# Altium PCB tester.PcbDoc (part 1 of 2)
Units mm, origin at the board's own origin, x right, y up, seen from the top; angles counter-clockwise.
Board outline 84.15 x 90.65 mm, 4 copper layers (Top Layer, Layer 2, Layer 3, Bottom Layer), stack 1.369 mm thick; 124 components, 130 nets, 531 pads, 136 vias.
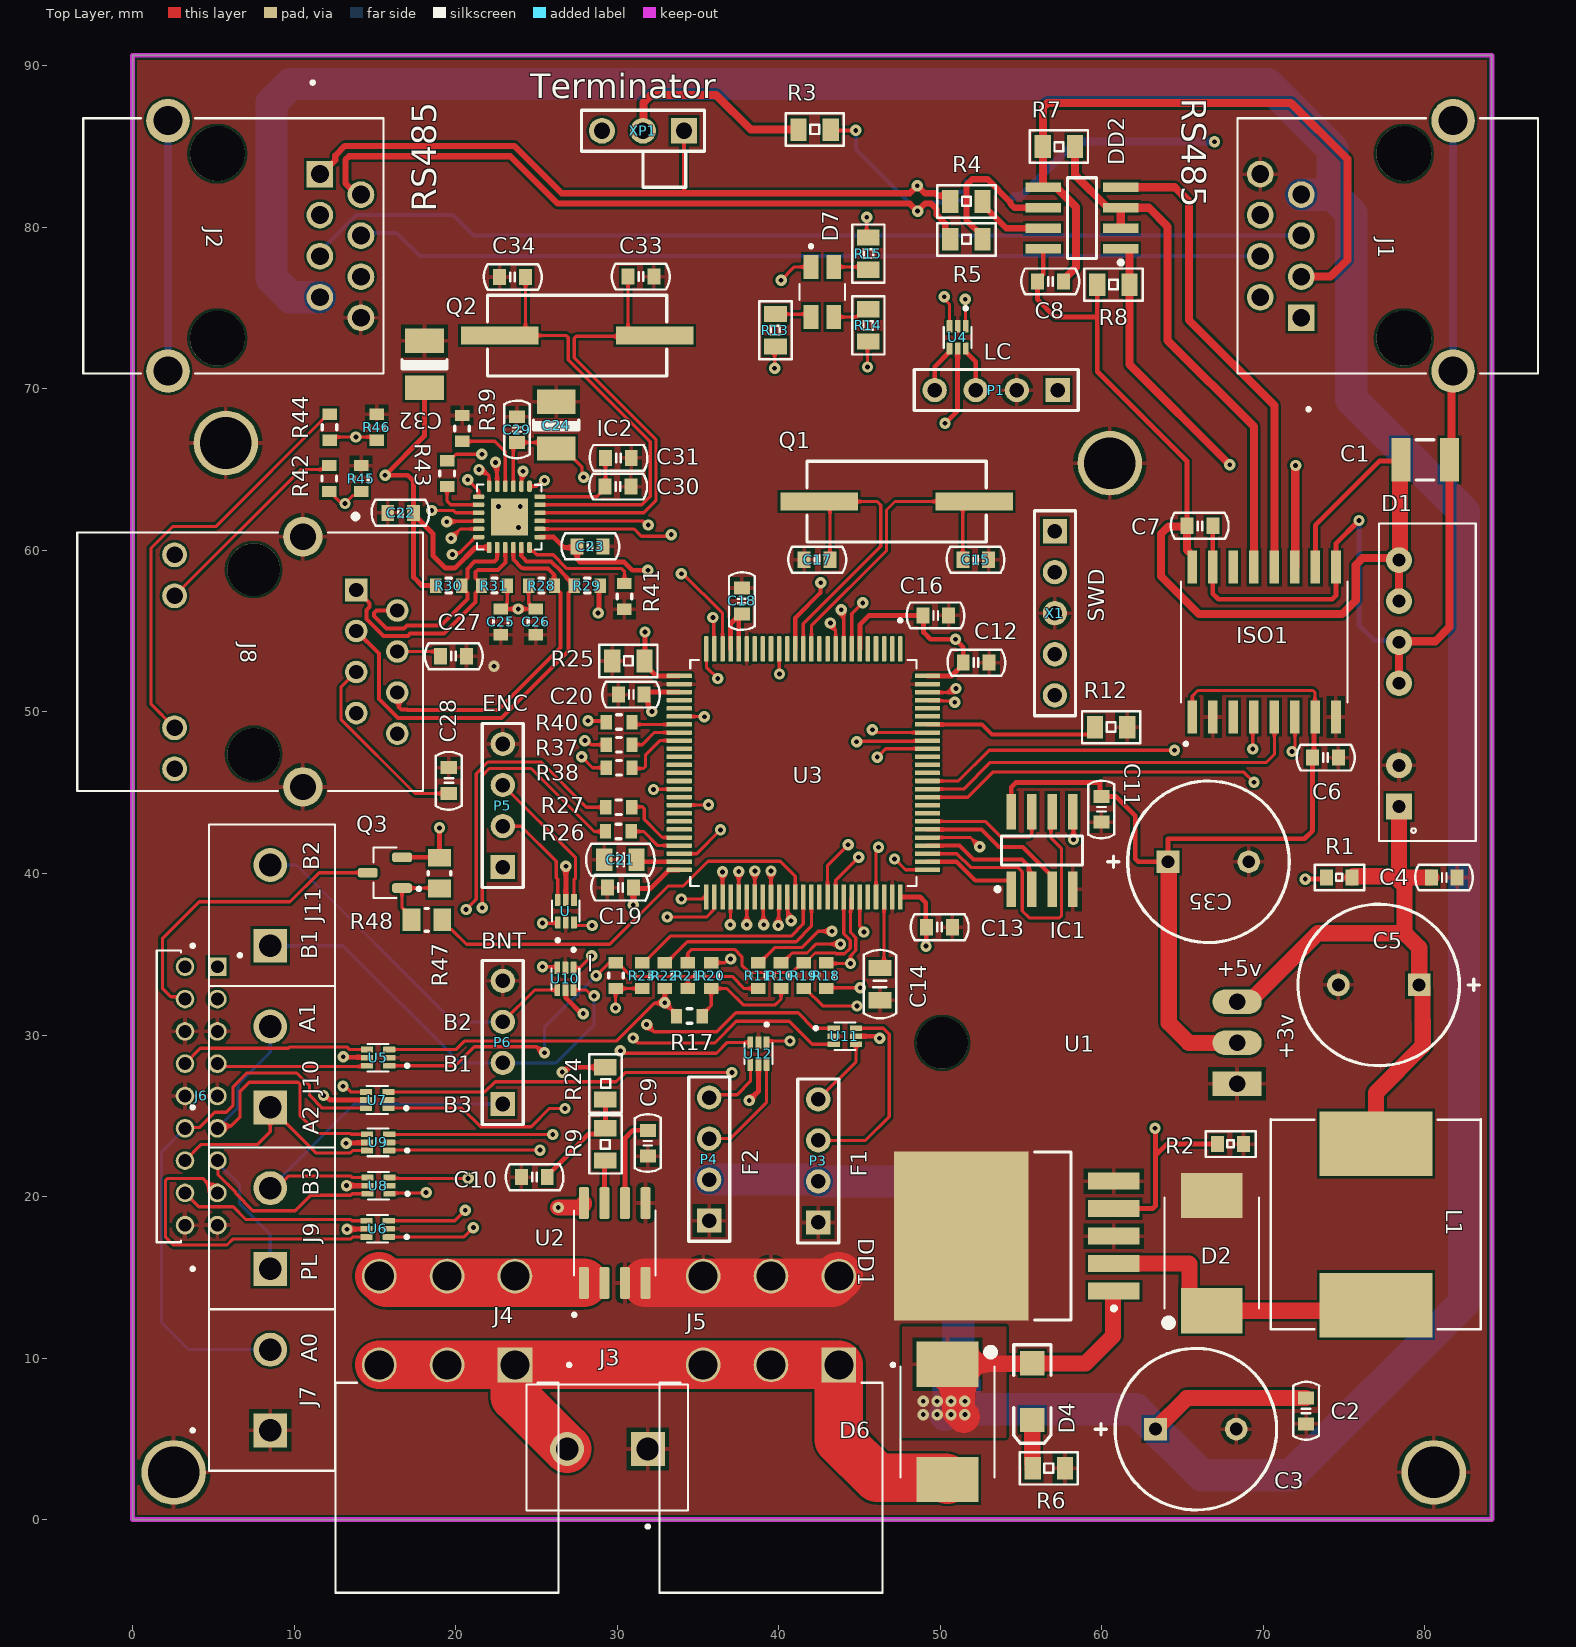
[diagram p0: Top Layer view]
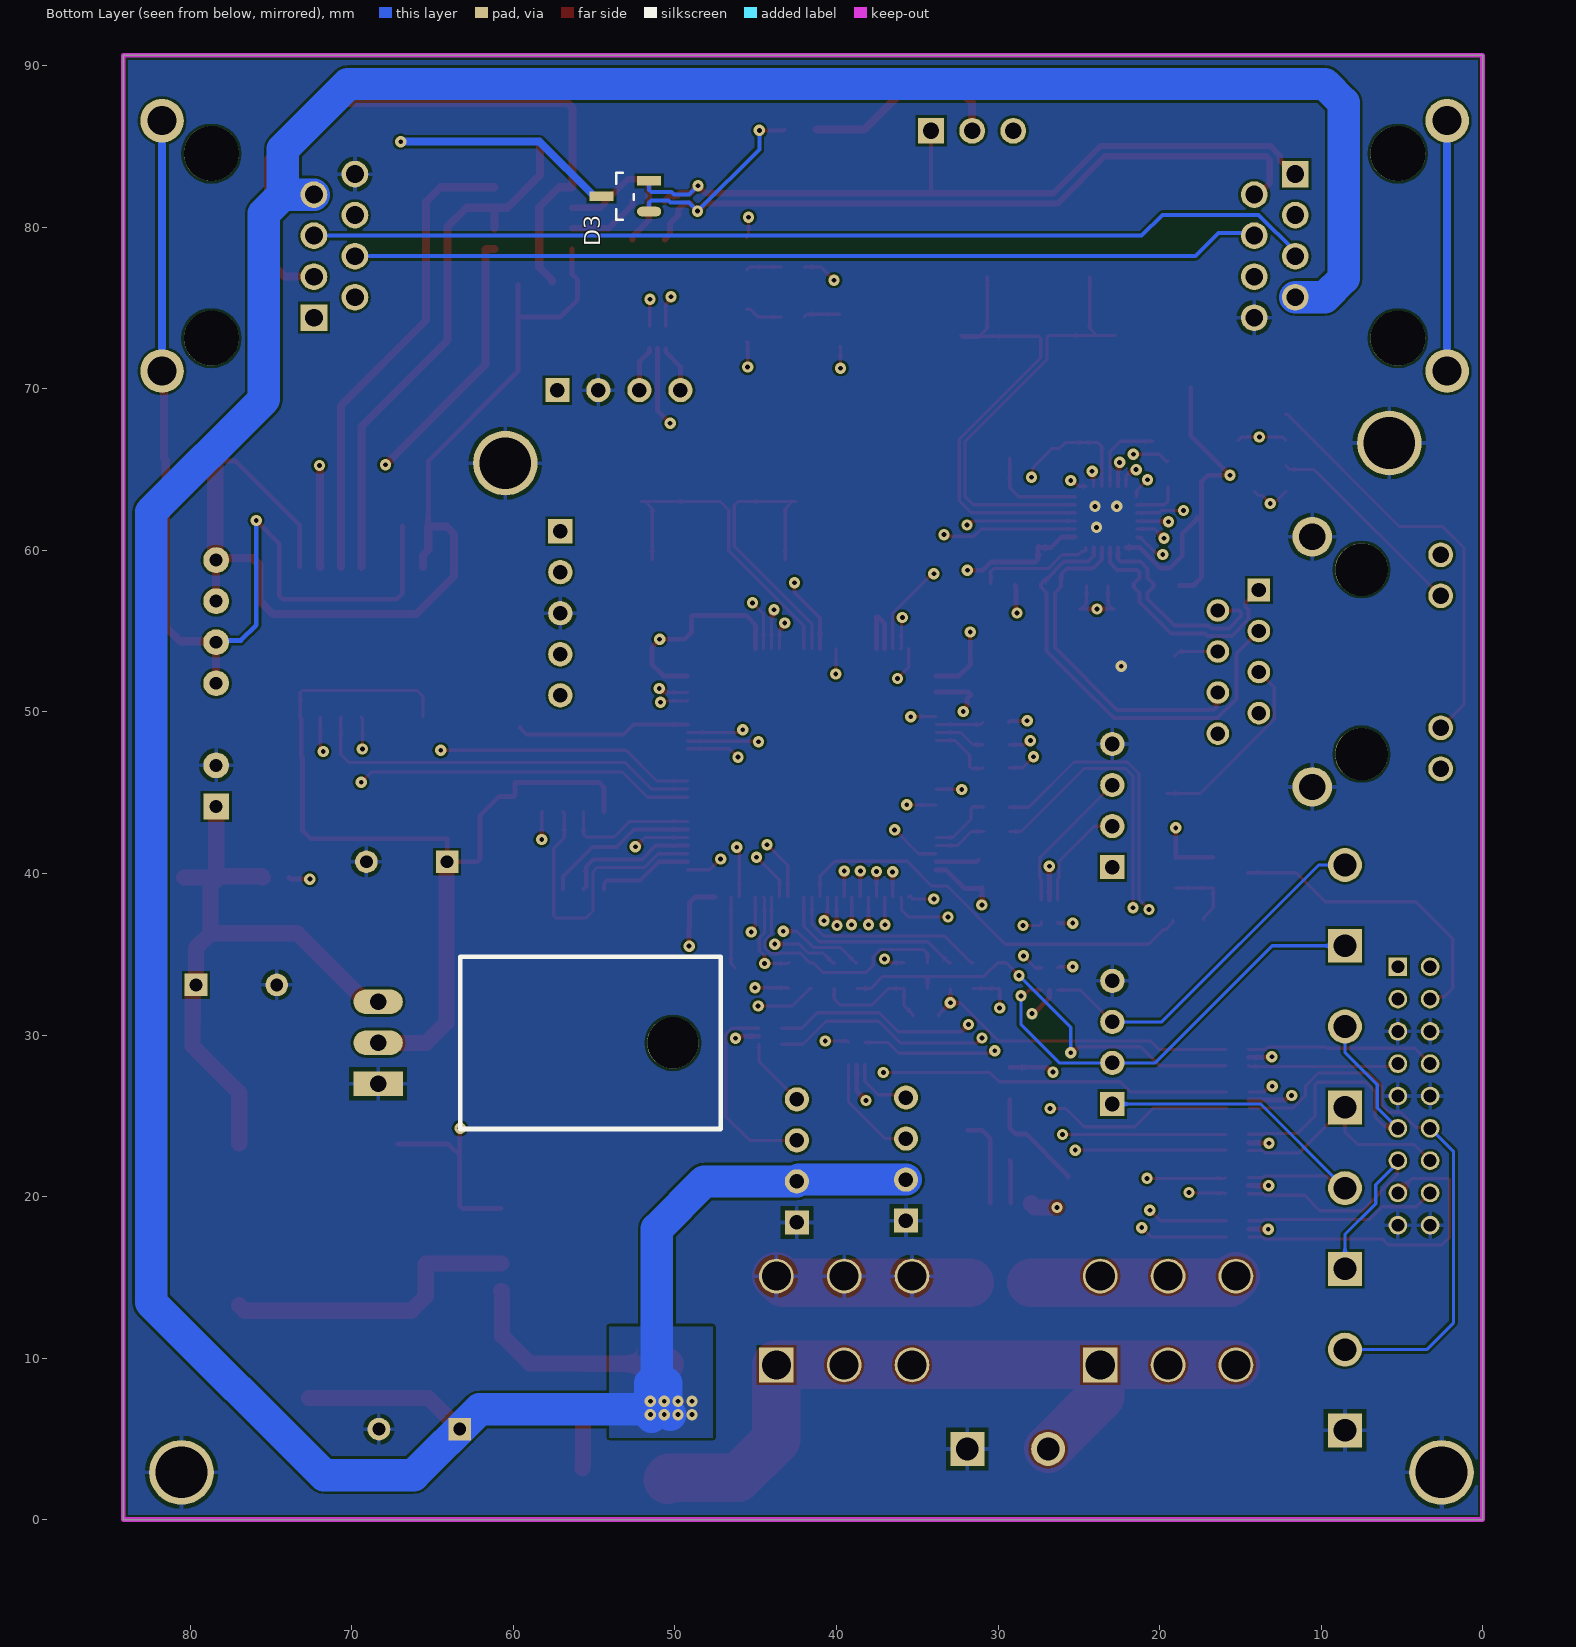
[diagram p1: Bottom Layer view, seen from below]
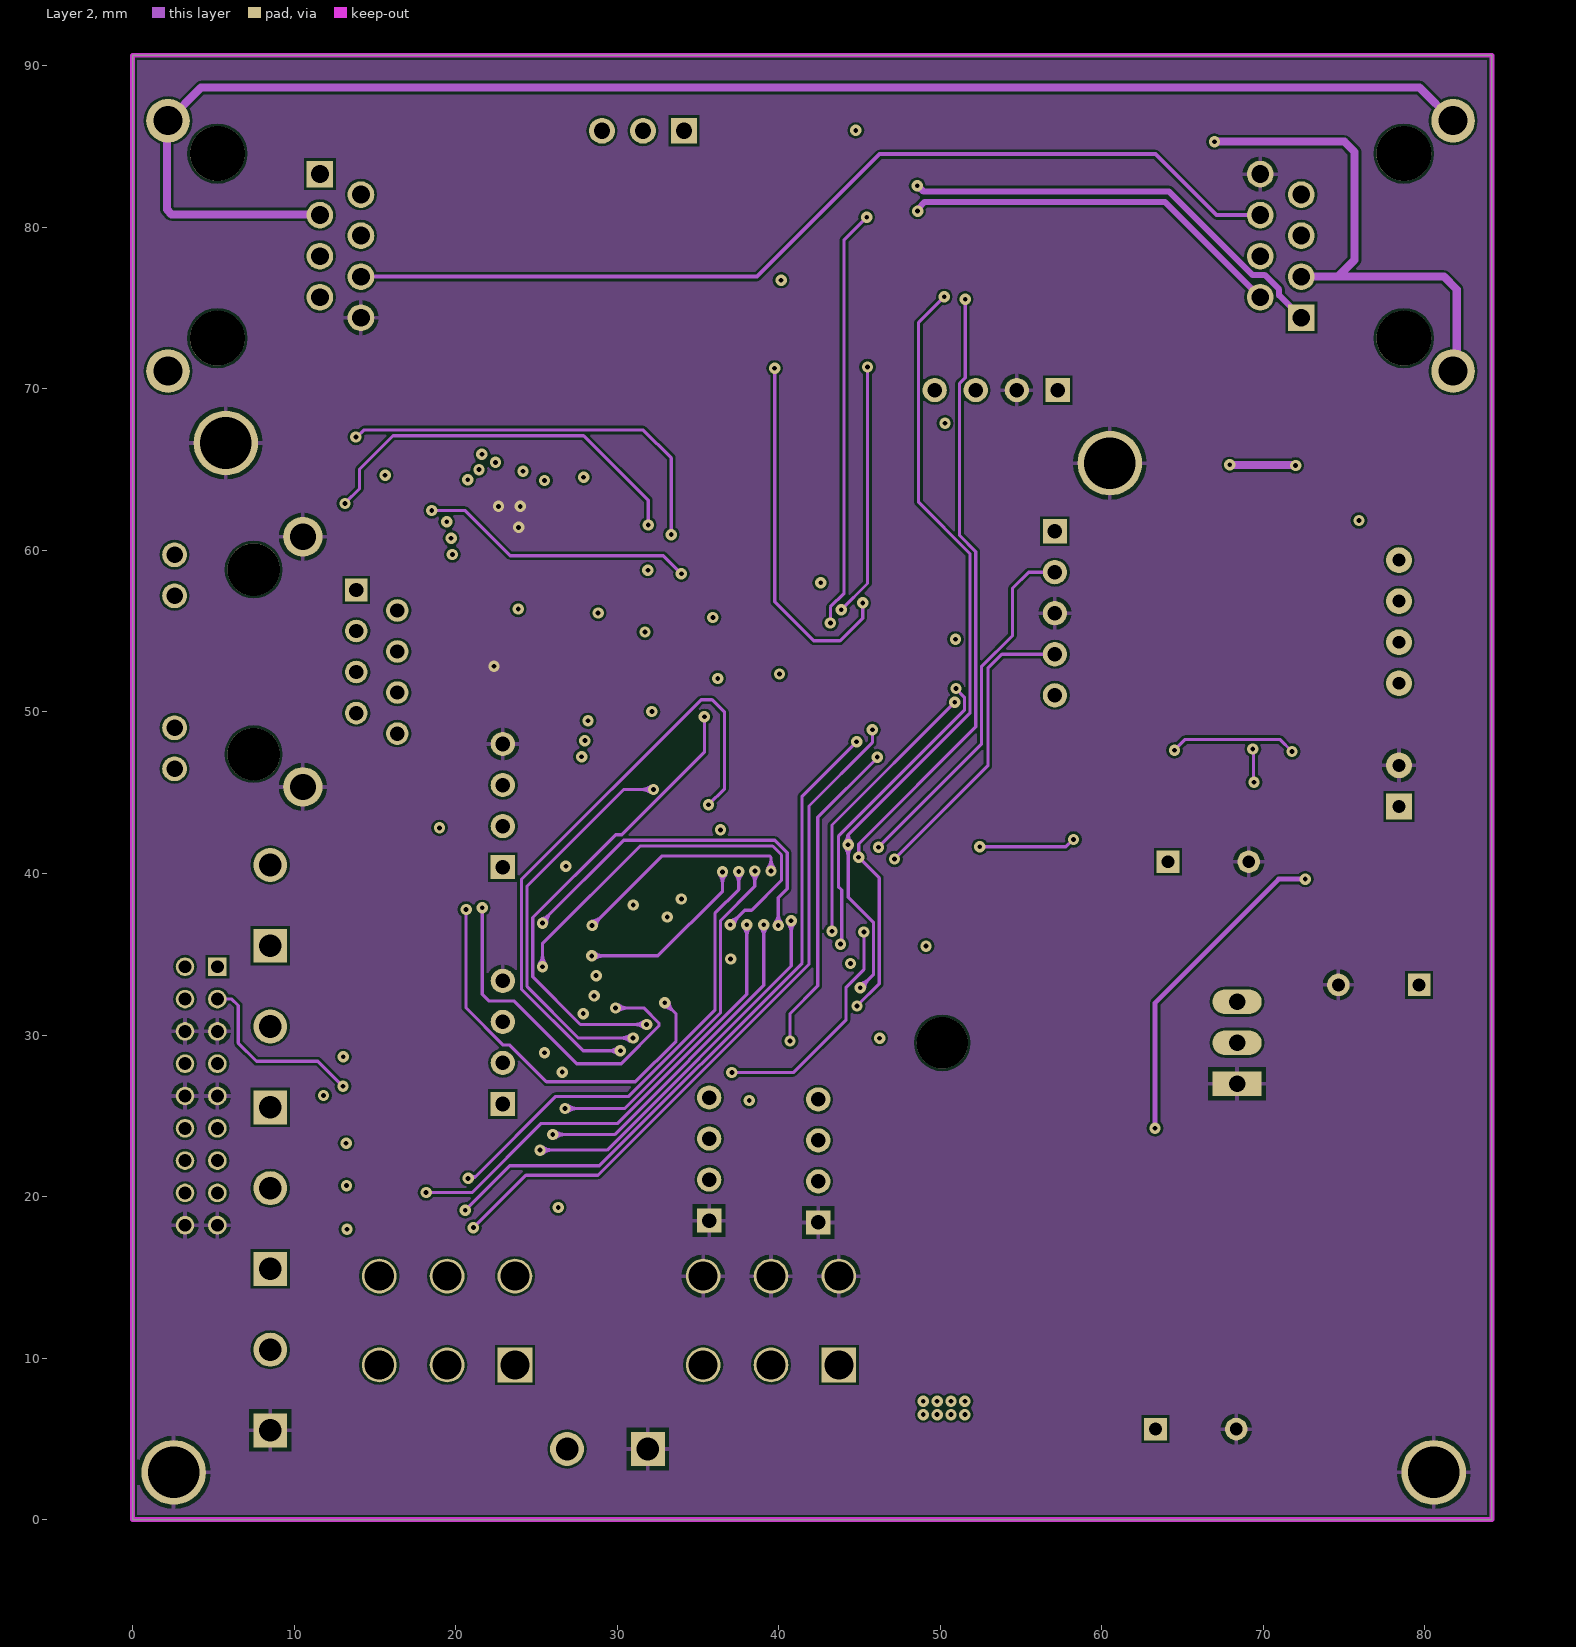
[diagram p2: Layer 2]
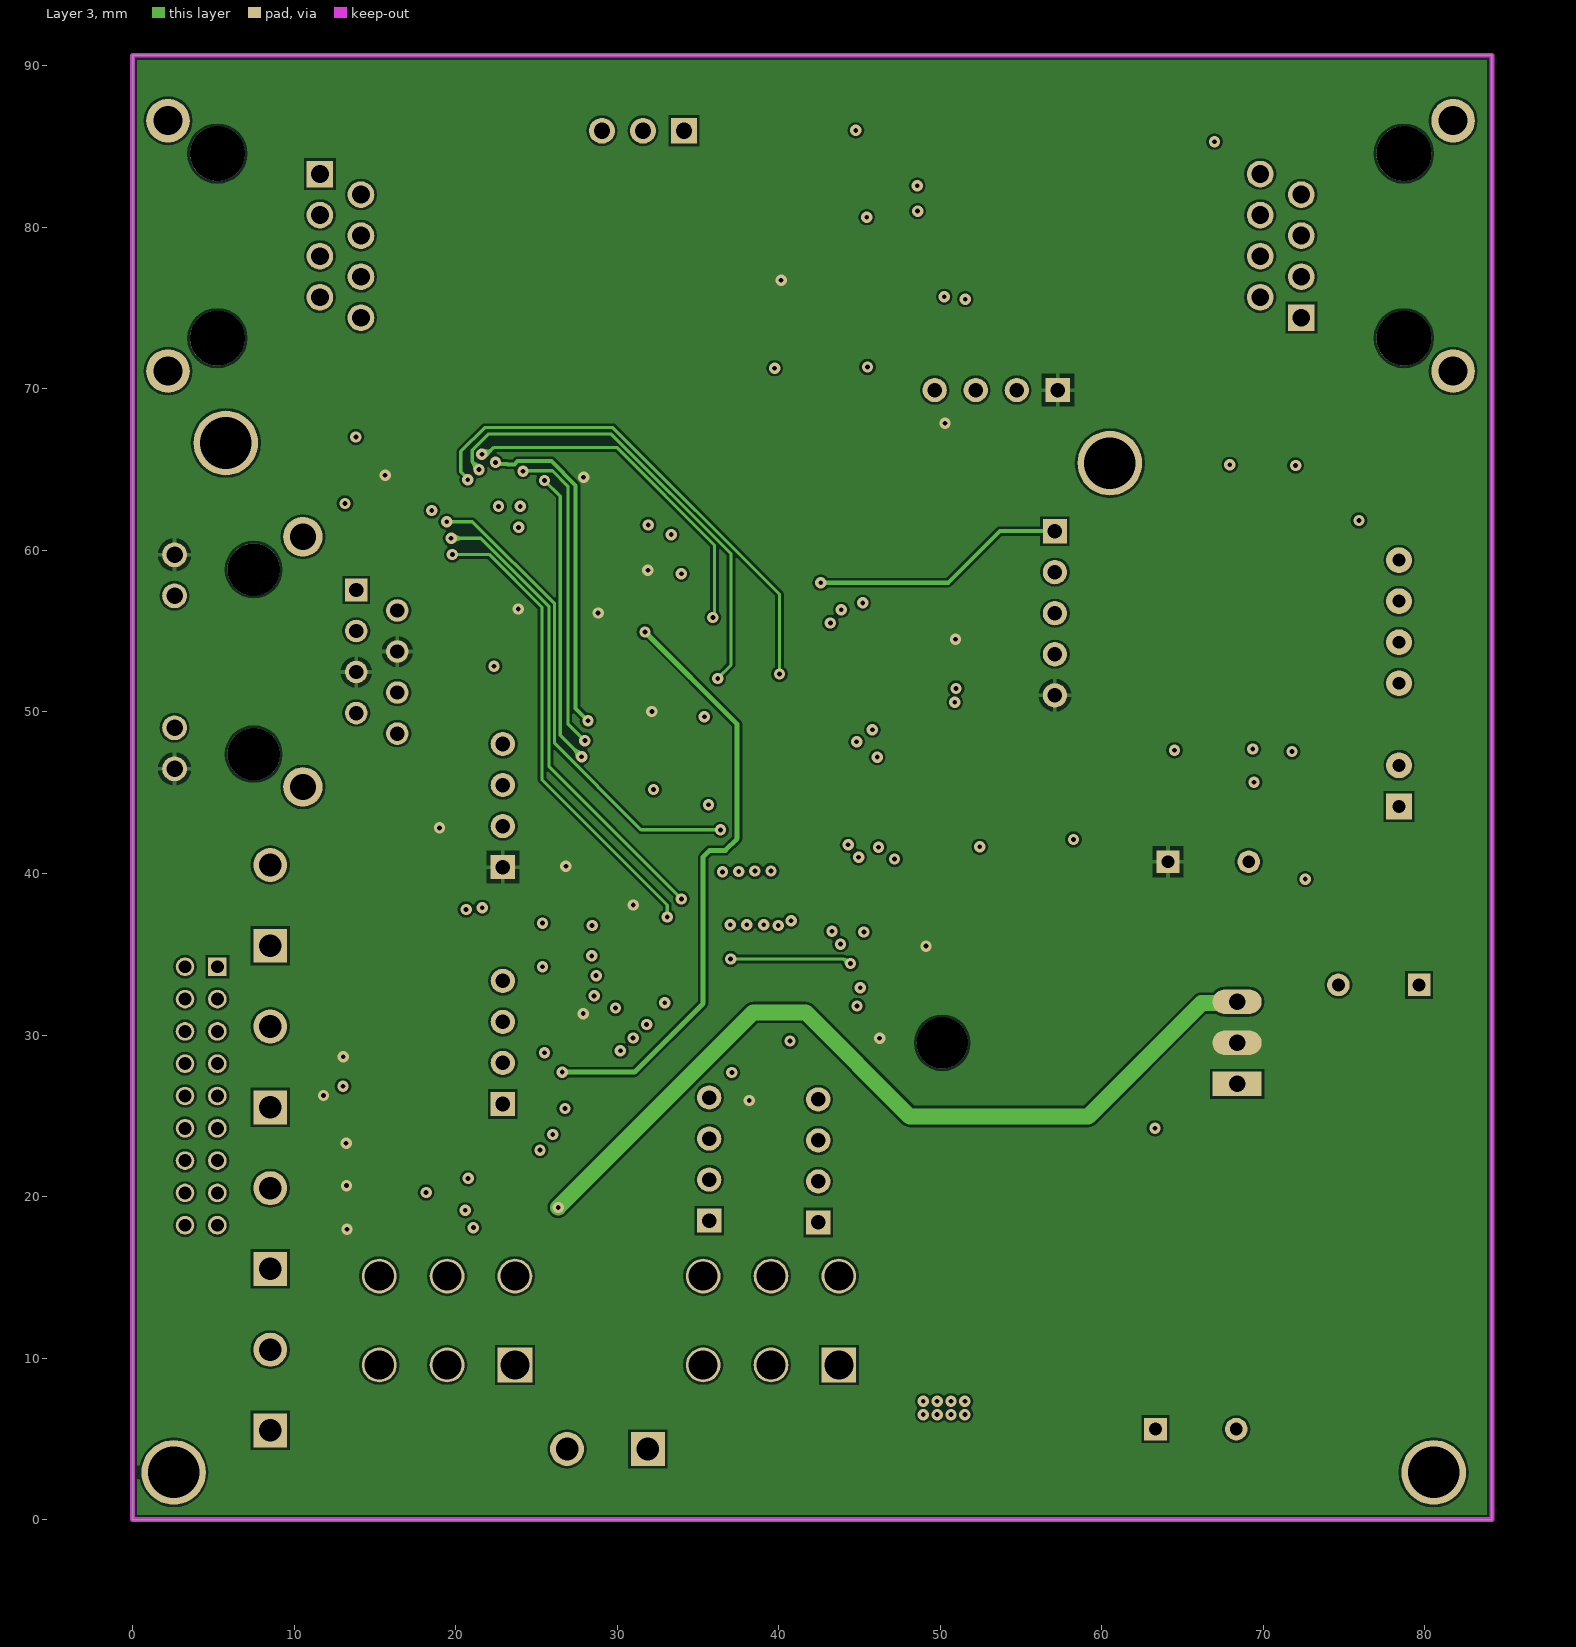
[diagram p3: Layer 3]

## Layer stack, top to bottom
Top Solder: solder mask 0.0254, SM-001, Dk 4
Top Layer: signal copper 0.035
Dielectric 1: prepreg 0.1295, PP-017, Dk 4.3
Dielectric 2: prepreg 0.1295, PP-017, Dk 4.3
Layer 2: signal copper 0.035
Dielectric 3: core 0.7112, Core-039, Dk 4.8
Layer 3: signal copper 0.035
Dielectric 4: prepreg 0.1295, PP-017, Dk 4.3
Dielectric 5: prepreg 0.1295, PP-017, Dk 4.3
Bottom Layer: signal copper 0.035
Bottom Solder: solder mask 0.0254, SM-001, Dk 4

## Board outline
0,0 0,90.65 84.15,90.65 84.15,0

## Design rules (kind name [scope] priority, off if disabled: settings)
Clearance Clearance_1 [InNetClass('ISO') vs InNet('GND')] p1: gap=1 ignorepadtopadclearanceinfootprint=FALSE
Clearance [All] p2: gap=0.15 ignorepadtopadclearanceinfootprint=FALSE
ComponentClearance [InComponentClass('J*') vs InComponentClass('J*')] p1: gap=0.01 collisioncheckmode=3 verticalgap=0.01 showdistances=FALSE
DiffPairsRouting [All] p1: maxlimit=0.254 minlimit=0.2 mostfreqgap=0.254 toplayer_minwidth=0.25 toplayer_maxwidth=0.381 toplayer_prefwidth=0.381 midlayer1_minwidth=0.25 midlayer1_maxwidth=0.381 midlayer1_prefwidth=0.381 midlayer2_minwidth=0.25 midlayer2_maxwidth=0.381 midlayer2_prefwidth=0.381 bottomlayer_minwidth=0.25 bottomlayer_maxwidth=0.381 bottomlayer_prefwidth=0.381 maxuncoupledlength=12.7
HoleSize [All] p1: absolutevalues=TRUE maxlimit=5 minlimit=0.025 maxpercent=80.000 minpercent=20.000
MinimumSolderMaskSliver [All] p1: minsoldermaskwidth=0
PolygonConnect [All] p1: connectstyle=Relief reliefconductorwidth=0.254 reliefentries=4 polygonreliefangle="90 Angle" airgapwidth=0.254
RoutingVias [All] p1: holewidth=0.3 width=1 viastyle="Through Hole" minholewidth=0.3 minwidth=0 maxholewidth=1 maxwidth=4
SilkToSolderMaskClearance [IsPad] p1: minsilkscreentomaskgap=0.1 clearancetoexposedcopper=TRUE
SolderMaskExpansion [All] p1: expansion=0.102 istentingtop=FALSE
UnRoutedNet [All] p1: checkbadconnections=TRUE
Width [All] p1: maxlimit=4 minlimit=0.15 preferedwidth=0.254
24 further rules are at their usual default settings.

## Classes and differential pairs
differential pair 485: +485_P -485_N
differential pair P1_TX: +P1_TX_P -P1_TX_N
differential pair P1_RX: +P1_RX_P -P1_RX_N

## Components (designator, comment, footprint, x,y, rotation, side; value= is the part's Value field where it differs from the comment)
C1 "10uF" CAPC3225X270N 80.025,65.6 r180 top
C2 "0.1uF" "CAPACITOR 0603" 72.65,5.925 r90 top
C3 "220uF 50v" "ECR 10x13mm" 65.825,5.6 r0 top value=220uF
C4 "0.1uF" "CAPACITOR 0603" 82,39.749 r180 top
C5 "220uF 50v" "ECR 10x13mm" 77.15,33.1 r180 top value=220uF
C6 "0.1uF" "CAPACITOR 0603" 73.05,47.175 r0 top
C7 "0.1uF" "CAPACITOR 0603" 66.875,61.525 r180 top
C8 "0.1uF" "CAPACITOR 0603" 57.625,76.65 r180 top
C9 "0.001uF" "CAPACITOR 0603" 31.9,22.5 r90 top
C10 "0.1uF" "CAPACITOR 0603" 24.075,21.2 r0 top
C11 "0.1uF" "CAPACITOR 0603" 59.975,44.775 r270 top
C12 "0.1uF" "CAPACITOR 0603" 51.425,53.05 r0 top
C13 "0.1uF" "CAPACITOR 0603" 49.15,36.675 r0 top
C14 "2.2uF" "CAPACITOR 0805" 46.275,34.15 r270 top
C15 "20pF" "CAPACITOR 0603" 53,59.425 r180 top
C16 "0.1uF" "CAPACITOR 0603" 50.525,55.975 r180 top
C17 "20pF" "CAPACITOR 0603" 41.575,59.425 r0 top
C18 "0.001uF" "CAPACITOR 0603" 37.725,57.675 r270 top
C19 "0.1uF" "CAPACITOR 0603" 31,39.125 r180 top
C20 "0.1uF" "CAPACITOR 0603" 31.675,51.075 r180 top
C21 "2.2uF" "CAPACITOR 0805" 29.2,40.85 r0 top
C22 "0.1uF" "CAPACITOR 0603" 17.4,62.325 r180 top
C23 "0.1uF" "CAPACITOR 0603" 27.525,60.25 r0 top
C24 "Cap T" "TECAP B" 26.225,67.75 r90 top value="10 mkF"
C25 "100 nF" CAPCHIP0603 22.8,55.575 r270 top
C26 "100 nF" CAPCHIP0603 24.95,55.575 r270 top
C27 "0.1uF" "CAPACITOR 0603" 19.075,53.45 r0 top
C28 "0.1uF" "CAPACITOR 0603" 19.575,46.55 r270 top
C29 "0.1uF" "CAPACITOR 0603" 23.8,66.675 r90 top
C30 "0.1uF" "CAPACITOR 0603" 29.25,63.95 r0 top
C31 "1uF" "CAPACITOR 0603" 29.275,65.725 r0 top
C32 "TECAP B 10u 16V" "TECAP B" 18.075,71.525 r90 top
C33 "20pF" "CAPACITOR 0603" 32.275,76.95 r180 top
C34 "20pF" "CAPACITOR 0603" 22.725,76.925 r0 top
C35 "220uF 50v" "ECR 10x13mm" 66.6,40.725 r0 top value=220uF
D1 "AM1DS-0505SJZ" AM2D-NZ 78.4,44.155 r90 top
D2 "MBRS540T3G" DIOM7958X213N 66.8,16.5 r90 top
D3 "SM712" SOT23 53.075,81.925 r90 bottom
D4 "LED2" 3.2X1.6X1.1 55.7,7.925 r270 top
D6 "MBRS540T3G" DIOM7958X213N 50.45,6.05 r270 top
D7 "150141M173100" LED_150141M173100 42.7,76 r90 top
DD1 "LM2596S-ADJ" TO-263 54.75,17.55 r180 top
DD2 "MAX485" NSO8 58.775,80.575 r180 top
IC1 "GD25Q16CTIGR" NSO8 56.3,41.425 r90 top
IC2 "LAN8742A-CZ-TR" LAN8742A 24.575,63.325 r180 top
ISO1 "D?" *SOIC127P1030X265-16N 70.05,54.325 r90 top
J1 "A-2004-2-4-LPS-N-R" ASSMANN_A-2004-2-4-LPS-N-R 78.7,78.85 r90 top
J2 "A-2004-2-4-LPS-N-R" ASSMANN_A-2004-2-4-LPS-N-R 5.25,78.85 r270 top
J3 "TB003-500-P02BE" CUI_TB003-500-P02BE 31.9,4.375 r180 top
J4 "1586041-6" TE_1586041-6 23.675,9.575 r180 top
J5 "1586041-6" TE_1586041-6 43.725,9.575 r180 top
J6 "1-1734507-8" TE_1-1734507-8 5.25,18.225 r90 top
J7 "TB003-500-P02BE" CUI_TB003-500-P02BE 8.525,5.525 r90 top
J8 "HR911105A" HANRUN_HR911105A 7.5,53.1 r90 top
J9 "TB003-500-P02BE" CUI_TB003-500-P02BE 8.525,15.525 r90 top